# Altium PCB uTCA_MCH_PCB3.pcbdoc (part 4 of 25)
Units mil, origin at the board's own origin, x right, y up, seen from the top; angles counter-clockwise.
Board outline 7110.66 x 2894.12 mil, 12 copper layers (Top Layer, GND1, MidLayer1, PWR1, MidLayer2, GND2, PWR2, MidLayer3, GND3, MidLayer4, PWR3, Bottom Layer), stack 63.15 mil thick; 767 components, 905 nets, 4553 pads, 2832 vias.
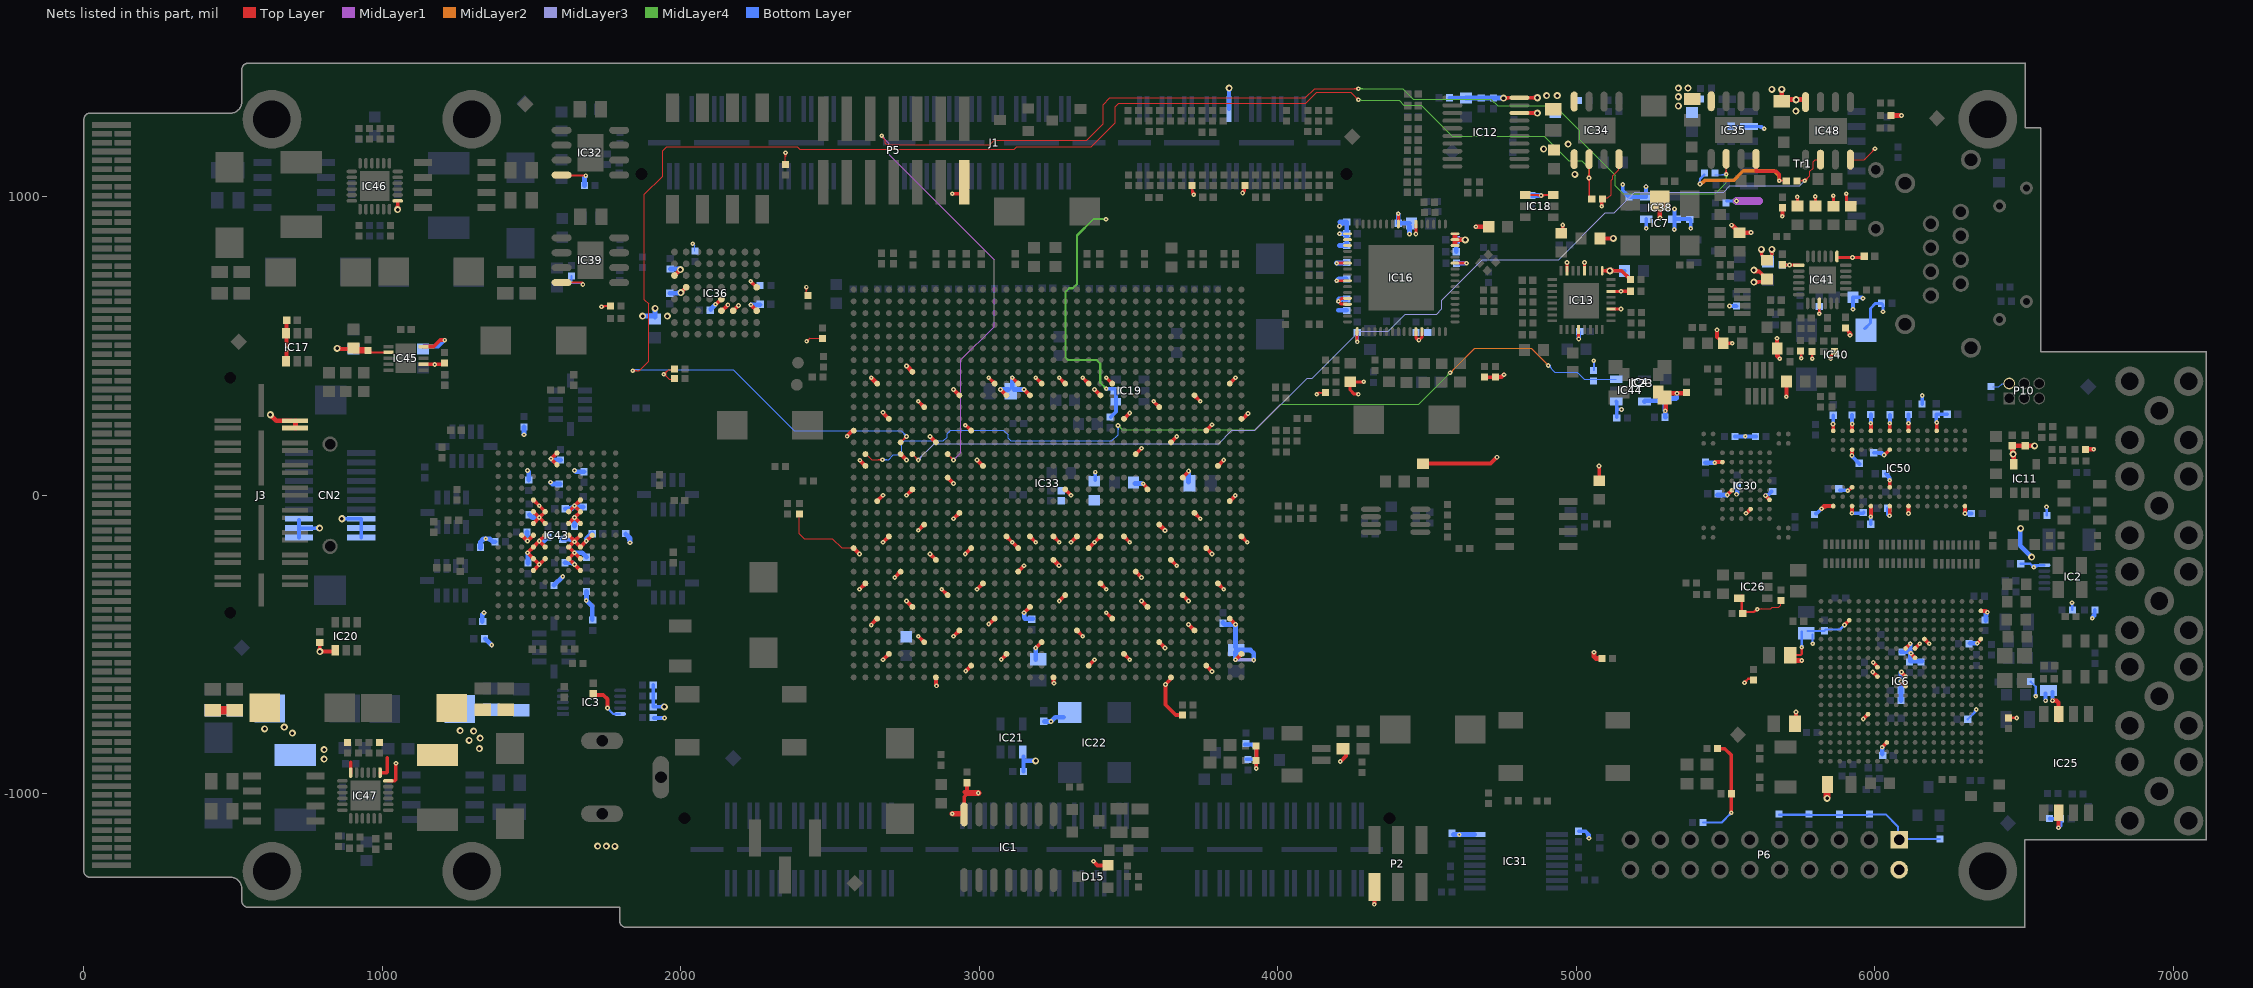
[diagram p14: the nets of this part, all layers, seen from the top]

## Via types
v1: diameter 15.75, hole 5.91, Top Layer to Bottom Layer, tented both sides, 2480 vias
v2: diameter 23.62, hole 11.81, Top Layer to Bottom Layer, tented both sides, 325 vias
v3: diameter 20, hole 10, Top Layer to Bottom Layer, tented both sides, 16 vias
v4: diameter 15.75, hole 7.87, Top Layer to Bottom Layer, tented both sides, 9 vias
v5: diameter 23.62, hole 11.81, Top Layer to Bottom Layer, 1 vias
v6: diameter 15.75, hole 5.91, Top Layer to Bottom Layer, 1 vias

## Nets (pads, with @x,y where several pads share a name; then routed paths per layer and width w, separated by ;. In a path a pad name is that pad's centre, name@x,y a point inside that pad or via, vN(x,y) a via of type N, cw(c..) or ccw(c..) an arc to the next point about the centre after c; other vN are vias at no path point) (continued)
+1V8: C3.2 C4.2 C14.1 C15.1 C16.1 C17.1 C28.2 C62.2 C63.2 C73.1 C74.2 C75.2 C76.2 C220.1 C221.1 C222.2 C223.1 C224.1 C225.1 C226.1 C227.1 C228.1 C229.1 C230.1 C231.1 C232.1 C233.1 C234.1 C288.1 C289.1 C294.1 C295.2 C296.1 C298.1 C299.1 C302.1 C321.1 C324.1 C325.1 C326.1 C329.2 C330.2 C331.2 C332.2 C333.2 C334.2 C335.2 C336.2 C337.1 C338.1 C339.1 C340.1 C341.1 C342.1 C343.1 C344.1 C345.1 C346.1 C347.1 C348.1 C349.2 C350.2 C351.2 C352.2 C393.2 C394.2 IC3.10 IC6.D16 IC6.F6 IC6.G10 IC6.G11 IC6.K13 IC6.L12 IC6.L13 IC6.M14 IC26.5 IC30.D3 IC30.G4 IC30.H8 IC30.J6 IC33.A32 IC33.AD13 IC33.AE20 IC33.AG14 IC33.AH11 IC33.AH21 IC33.AJ28 IC33.AK25 IC33.AL12 IC33.AL22 IC33.AM19 IC33.AM29 IC33.AN26 IC33.AP13 IC33.AP23 IC33.B29 IC33.C16 IC33.C26 IC33.D33 IC33.E30 IC33.F17 IC33.F27 IC33.G34 IC33.H31 IC33.J18 IC33.J28 IC33.K15 IC33.K25 IC33.L32 IC33.M29 IC33.N26 IC33.P33 IC33.R30 IC36.A6 IC36.H3 IC43.E4 IC43.E8 IC43.F4 IC43.F5 IC43.F7 IC43.F8 IC43.G4 IC43.G5 IC43.G7 IC43.G8 IC43.H3 IC43.H4 IC43.H5 IC43.H7 IC43.H8 IC43.H9 IC43.J4 IC43.J5 IC43.J7 IC43.J8 IC43.K4 IC43.K5 IC43.K7 IC43.K8 IC43.L4 IC43.L8 IC43.P6 IC43.R6 IC45.2 IC47.1 IC50.A1 IC50.A9 IC50.C1 IC50.C3 IC50.C7 IC50.C9 IC50.E1 IC50.E9 IC50.G1 IC50.G3 IC50.G7 IC50.G9 IC50.J1 IC50.J9 IC50.M9 IC50.R1 L15.2 L19.1 P10.2 R4.2 R16.2 R75.2 R97.2 R138.2 R167.2 R168.2 R169.2 R198.1 R213.2 R241.2 | length 6880.4
  Top Layer w3.94: R213.2@952.27,485.65 R213.2@952.46,485.46 ; R97.2@2396.85,-63.5 2396.85,-128.39 2413.54,-145.08 2506.93,-145.08 2538.43,-176.57 IC33.AP23@2579.33,-176.57 ; v1@5604.47,-380.94 5651.26,-380.94 5656.52,-375.68 5677.64,-375.68 5684.56,-368.76 R169.2@5684.56,-354.92 ; v1@5609.85,-385.77 cw(c5621.5,-397.42) 5621.5,-380.94 ; v1@5609.85,-377.41 ccw(c5618.36,-368.9) 5618.36,-380.94 ; C3.2@5725.53,-554.03 C3.2@5726.03,-553.53
  Top Layer w6.89: R213.2@952.76,478.35 IC45.2@1019.69,478.35 ; v1@3879.23,1016.34 ccw(c3863.44,1037.4) R138.2@3889.76,1037.4 3889.76,1020.67 v1(3881.89,1012.8) ; v1@3881.89,1017.22 ccw(c3881.89,1027.92) 3889.45,1020.36 ccw(c3897.01,1012.8) v1@3886.32,1012.8 ; v1@3883.37,1010.83 ccw(c3873.77,1023.62) 3889.76,1023.62
  Top Layer w7: C222.2@5554.49,-386.36 C222.2@5559.36,-391.23 ; v1@5703.98,330.35 v1@5704.32,330.01 ; C3.2@5716.22,-535.59 5751.41,-535.59 5755,-532 v1(5755,-509) ; v1@5751.91,-512.09 cw(c5744.44,-519.56) 5755,-519.56 cw(c5765.56,-519.56) v1@5758.09,-512.09
  Top Layer w7.87: C222.2@5554.35,-394.1 IC26.5@5554.35,-337.07 ; C222.2@5559.36,-391.23 5594.18,-391.23 v1@5604.47,-380.94 ; 5595.79,-389.62 cw(c5605.67,-399.5) v1@5605.67,-385.53
  Top Layer w10: v1@5909.03,18 ccw(c5909.03,32.43) IC50.C3@5919.23,22.23 ; v1@5913.7,16.7 IC50.C3@5923.66,26.72 IC50.C3@5923.66,26.72
  Top Layer w11.81: IC47.1@992.13,-929.13 1014.49,-929.13 ; 1016.14,-927.48 1016.14,-879.33
  Top Layer w12: v1(6031,135) 6031.94,135 IC50.G7@6049.65,152.7
  Top Layer w12.6: v2@850.39,490.16 C394.2@903.54,490.16 ; v2@852.32,496.02 ccw(c866.48,510.18) 866.48,490.16 ; IC43.H9@1466.14,-133.46 v1(1486.22,-153.54) IC43.H8@1505.94,-133.82 ; IC43.E8@1505.91,-251.97 v1(1525.59,-232.28) ; IC43.J8@1505.91,-94.49 v1(1525.59,-74.8) ; IC43.K8@1505.91,-55.12 v1(1525.59,-74.8) ; IC43.L8@1505.91,-15.75 v1(1525.59,-35.43) IC43.K7@1545.28,-55.12 ; IC43.K7@1545.28,-55.12 v1(1525.59,-74.8) ; IC43.F7@1545.28,-212.6 v1(1525.59,-232.28) ; IC43.G7@1545.28,-173.23 v1(1525.59,-153.54) ; IC43.H7@1545.28,-133.86 v1(1525.59,-153.54) ; IC43.J7@1545.28,-94.49 v1(1525.59,-74.8) ; IC43.P6@1584.65,102.36 v1(1564.96,122.05) IC43.R6@1584.65,141.73 ; IC43.H5@1624.02,-133.86 v1@1643.7,-153.54 ; IC43.J5@1624.02,-94.49 v1(1643.7,-74.8) ; IC43.K5@1624.02,-55.12 v1(1643.7,-35.43) ; IC43.E4@1663.39,-251.97 v1(1643.7,-232.28) IC43.F5@1624.02,-212.6 v1(1643.7,-192.91) ; IC43.F4@1663.39,-212.6 v1(1643.7,-192.91) ; IC43.H4@1663.39,-133.86 v1@1643.7,-153.54 ; IC43.J4@1663.39,-94.49 v1(1643.7,-74.8) ; IC43.L4@1663.39,-15.75 v1(1643.7,-35.43) ; IC43.H3@1702.76,-133.86 v1(1683.07,-153.54) IC43.G4@1663.39,-173.23 v1@1643.7,-153.54 ; C28.2@1704.72,-669.29 1740.16,-669.29 1753.94,-683.07 v1(1753.94,-712.6) ; IC36.H3@1978.35,736.22 v2(1998.03,755.91) ; v2@1992.52,755.91 cw(c1979.21,755.91) 1988.62,746.5 cw(c1998.03,737.09) v2@1998.03,750.39 ; v1@2234.5,637.55 IC36.A6@2253.94,618.11 ; v1(2556.89,197.99) IC33.AP13@2575.43,216.54 ; IC33.AP23@2578.74,-177.17 v1(2598.43,-196.85) ; v1(2598.43,-314.96) IC33.AN26@2618.11,-295.28 ; v1@2637.8,-433.07 IC33.AM29@2657.48,-413.39 ; IC33.AM19@2657.48,-19.68 v1(2677.17,0) ; v1(2677.17,-157.48) IC33.AL22@2696.85,-137.8 ; v1@2677.17,275.59 IC33.AL12@2696.85,255.91 ; v1(2716.54,-275.59) IC33.AK25@2736.22,-255.91 ; v1(2755.91,-354.33) IC33.AJ28@2775.59,-374.02 ; v1(2795.28,-117.62) IC33.AH21@2814.47,-98.43 ; v1(2795.28,314.96) IC33.AH11@2814.96,295.28 ; v1(2834.65,196.85) IC33.AG14@2854.33,177.17 ; v1(2913.39,-78.74) IC33.AE20@2933.07,-59.06 ; v1@2952.76,236.22 IC33.AD13@2972.44,216.54 ; IC33.R30@3326.77,-452.76 v1(3346.46,-472.44) ; IC33.P33@3366.14,-570.87 v1(3385.83,-551.18) ; IC33.N26@3405.51,-295.28 v1(3425.2,-314.96) ; v1(3425.2,-393.7) IC33.M29@3444.88,-413.39 ; IC33.L32@3484.25,-531.5 v1(3503.94,-551.18) ; IC33.K25@3523.62,-255.91 v1(3543.31,-275.59) ; IC33.K15@3523.62,137.8 v1(3543.31,157.48) ; v1(3543.31,-354.33) IC33.J28@3562.99,-374.02 ; v1@3548.18,38.68 IC33.J18@3564.26,22.6 ; IC33.H31@3602.36,-492.13 v1(3622.05,-511.81) ; v1(3623.39,-634.17) 3623.39,-702.09 3657.72,-736.42 R75.2@3680.75,-736.42 ; v1@3623.39,-633.19 3641.73,-614.84 IC33.G34@3641.73,-610.24 ; IC33.F27@3681.1,-334.65 v1(3700.79,-354.33) ; IC33.F17@3681.1,59.06 v1@3700.79,78.74 ; v1(3700.79,-433.07) IC33.E30@3720.47,-452.76 ; IC33.D33@3759.84,-570.87 v1(3779.53,-590.55) ; IC33.C26@3799.21,-295.28 v1(3818.9,-314.96) ; IC33.C16@3799.21,98.43 v1(3818.9,118.11) ; IC33.B29@3838.58,-413.39 v1(3858.27,-433.07) ; v1(3858.27,-551.18) IC33.A32@3877.95,-531.5 ; v1@5464.9,108.04 cw(c5472.34,100.6) 5472.34,111.12 ; v1@5465.77,111.12 IC30.D3@5489.39,111.12 ; v1(5505.14,0.89) IC30.G4@5520.88,16.64 ; v1@5570.1,-60.14 IC30.J6@5583.88,-46.36 ; v1(5633.29,-1.28) IC30.H8@5646.87,-14.86 ; v1@5703.98,330.35 L19.1@5703.98,380.69 ; v1(5821,-45) 5830,-36 5860.39,-36 IC50.A1@5860.67,-36.28 ; v1@5822.11,-46.11 cw(c5846.53,-70.53) 5846.53,-36 ; v1(5860,239) 5860.67,238.33 IC50.A9@5860.67,215.69 ; v1(5898.33,-434.5) IC6.D16@5914.09,-418.76 ; v1(5923,-60) 5923.66,-59.34 IC50.C1@5923.66,-36.28 ; v1@5923.66,133.66 IC50.C7@5923.66,152.7 ; IC50.C9@5923.66,215.69 5923.66,238.66 v1(5924,239) ; v1(5961.33,-749.46) IC6.F6@5977.09,-733.72 ; v1(5986,-72) 5986.65,-71.35 IC50.E1@5986.65,-36.28 ; v1(5986,241) 5986.65,240.35 IC50.E9@5986.65,215.69 ; v1(5992.83,-591.98) IC6.G10@6008.58,-607.73 ; v1(5994.8,-560.49) IC6.G11@6008.58,-574.27 ; v1(6049,-69) 6049.65,-68.35 IC50.G1@6049.65,-36.28 ; IC50.G3@6049.65,26.72 6049.65,49.65 v1(6050,50) ; IC50.G9@6049.65,215.69 6049.65,240.65 v1(6050,241) ; IC6.K13@6103.07,-513.24 v1(6118.82,-497.5) ; IC50.J1@6112.64,-36.28 6112.64,-60.64 v1(6113,-61) ; IC50.J9@6112.64,215.69 6112.64,240.64 v1(6113,241) ; v1@6118.82,-528.99 IC6.L12@6134.57,-544.74 ; IC6.L13@6134.57,-513.24 v1(6150.31,-497.5) ; IC6.M14@6166.06,-481.75 v1(6181.81,-497.5) ; IC50.M9@6207.13,215.69 v1@6207.13,243.87 ; IC50.R1@6301.61,-36.28 6301.61,-60.61 v1(6302,-61) ; v1(1525.59,-232.28) v1(1486.22,-192.91) IC43.G8@1505.91,-173.23 v1(1525.59,-153.54) ; v1(1643.7,-192.91) IC43.G5@1624.02,-173.23 v1@1643.7,-153.55 ; v1(1643.7,-74.8) IC43.K4@1663.39,-55.12 v1(1643.7,-35.43)
  Top Layer w15.75: C3.2@5726.03,-553.53 v1(5755.26,-553.53)
  Top Layer w21.65: C394.2@907.99,485.65 R213.2@952.27,485.65
  MidLayer3 w12.6: v1(3858.27,-551.18) v1@3918.86,-551.18
  Bottom Layer w3.94: R4.2@6394.41,363.38 6394.82,362.97 6414.91,362.97 6426.3,374.36 P10.2@6450.35,374.36
  Bottom Layer w6.89: v1@1753.78,-712.83 1773.66,-732.72 IC3.10@1796.49,-732.72 ; v1@1753.94,-717.03 cw(c1753.94,-726.77) 1760.83,-719.88 ; v1@1758.37,-712.6 ccw(c1770.01,-712.6) 1761.78,-720.83
  Bottom Layer w7: v1@5751.91,-505.91 ccw(c5744.44,-498.44) 5755,-498.44 ccw(c5765.56,-498.44) v1@5758.09,-505.91 ; v1(5755,-509) C4.2@5755,-456 ; C4.2@5774.04,-454.19 C14.1@5831.42,-454.19 5835.79,-449.81 5883.02,-449.81 v1(5898.33,-434.5) ; v1@5788.45,-494.81 ccw(c5782.74,-489.1) 5790.81,-489.1 ; v1@5790.81,-498.26 C4.2@5790.81,-466.81 ; 5790.81,-485.58 ccw(c5803.86,-485.58) v1@5794.63,-494.81 ; v1@5893.96,-434.5 cw(c5883.4,-434.5) 5890.87,-441.97 cw(c5898.33,-449.44) v1@5898.33,-438.88
  Bottom Layer w12.6: v2@852.32,496.02 ccw(c866.48,510.18) 866.48,490.16 ; v2@852.36,490.16 C393.2@903.54,490.16 ; R16.2@1909.45,-746.06 v1(1944.88,-746.06) ; R167.2@5531.63,197.15 R168.2@5601.75,197.15 ; v1@5633.4,1.52 5643.29,1.52 C299.1@5654.15,12.38 ; C223.1@5802.4,-60.76 5805.24,-60.76 v1(5821,-45) ; v1(5860,239) 5860.65,239.65 C234.1@5860.65,267.85 ; C225.1@5882.21,16.67 v1@5910,16.67 ; v1(5923,-60) 5960.21,-60 C233.1@5962.83,-57.38 ; v1@5923.5,132.5 v1(5923,133) 5923,130.45 C227.1@5948.39,105.06 ; C326.1@5923.69,268.68 5923.69,239.32 v1(5924,239) ; v1@5924.57,133 ccw(c5934.54,133) 5927.49,125.96 ; v1@5985.83,-72.17 v1(5986,-72) 5986,-96.65 C324.1@5986.22,-96.87 ; v1(5986,241) 5986.68,241.68 C229.1@5986.68,270.65 ; C321.1@5996.14,142.23 6023.77,142.23 v1(6031,135) ; 6009.75,142.23 cw(c6009.75,113.75) v1@6029.89,133.89 ; C228.1@6036.89,72.07 6050,58.96 v1(6050,50) ; C228.1@6040.98,67.99 cw(c6022.99,50) v1@6048.43,50 ; C230.1@6042.8,-50.22 ccw(c6067.78,-50.22) v1@6050.11,-67.89 ; C230.1@6042.8,-43.44 6042.8,-62.8 v1(6049,-69) ; v1(6050,241) 6050.38,241.38 C226.1@6050.38,270.06 ; C325.1@6112.74,270.76 6112.74,241.26 v1(6113,241) ; R198.1@6158.5,305.5 6158.5,333.5 v1(6159,334) ; v1(6207,244) 6205.5,245.5 C224.1@6205.5,271.12 6205.58,271.2 C231.1@6242.17,271.2 ; v1(6302,-61) 6323.62,-61 C232.1@6323.94,-61.32
  Bottom Layer w15.75: C345.1@1328.74,-177.16 1328.74,-155.51 1338.58,-145.67 v1(1346.46,-145.67) ; 1333.01,-151.24 cw(c1346.46,-164.68) v1(1346.46,-145.67) ; C329.2@1334.65,-423.23 1334.65,-399.61 v1(1340.55,-393.7) ccw(c1354.81,-407.96) 1334.65,-407.96 ; C330.2@1344.49,-480.32 v1(1366.14,-501.97) ; C343.1@1369.98,-155.41 ccw(c1346.46,-178.94) v1(1346.46,-145.67) ; C343.1@1377.28,-156 1370.57,-156 1360.24,-145.67 v1(1346.46,-145.67) ; v1(1474.41,202.76) C331.2@1474.41,228.35 ; v1@1484.72,-152.04 C347.1@1484.72,-122.91 ; C346.1@1488,-227.28 v1@1488,-195 ; C337.1@1490.16,51.18 1490.16,78.74 v1(1486.22,82.68) cw(c1476.72,73.17) 1490.16,73.17 ; C335.2@1492.13,-64.96 1501.97,-74.8 v1(1525.59,-74.8) ; C349.2@1552.47,-142.41 cw(c1525.59,-115.52) v1(1525.59,-153.54) 1541.34,-153.54 C349.2@1555.12,-139.76 ; 1574.46,118.11 cw(c1574.46,131.55) v1(1564.96,122.05) 1568.9,118.11 C336.2@1596.46,118.11 ; C344.1@1574.72,-302 v1@1604,-272.72 ; 1576.49,37.72 cw(c1576.49,56.8) v1(1562.99,43.31) 1568.58,37.72 C350.2@1595,37.72 ; C351.2@1604.33,-147.64 1635.83,-147.64 v1(1643.7,-155.51) ccw(c1624.69,-174.52) 1624.69,-147.64 ; C342.1@1611.72,-226 1638,-226 v1@1644,-232 ; C340.1@1612.72,-45 1635,-45 v1@1644,-36 ; C340.1@1620.6,-45 ccw(c1620.6,-12.33) v1(1643.7,-35.43) ; 1628.53,-226 cw(c1628.53,-247.45) v1(1643.7,-232.28) ; C341.1@1643.7,-104.33 v1(1643.7,-74.8) ; v1@1644,-193 1669.72,-193 C348.1@1684,-207.28 ; 1653.21,-39.37 cw(c1653.21,-25.93) v1(1643.7,-35.43) ; 1653.21,78.74 cw(c1653.21,92.18) v1(1643.7,82.68) 1647.64,78.74 C338.1@1675.2,78.74 ; C352.2@1673.23,-39.37 1647.64,-39.37 v1(1643.7,-35.43) ; v1(1683.07,-352.36) 1702.76,-372.05 C334.2@1702.76,-417.32 ; v1@1684,-351.43 C339.1@1684,-322.72 ; 1688.64,-140.1 ccw(c1702.08,-153.54) v1(1683.07,-153.54) 1683.07,-145.67 C333.2@1702.76,-125.98 ; C332.2@1814.96,-129.92 1829.72,-144.68 v1(1829.72,-159.45) ccw(c1794.08,-159.45) C332.2@1819.28,-134.25 ; C63.2@1964.57,757.87 v2@2000,757.87 ; 1983.77,757.87 cw(c1983.77,741.65) v2@1995.25,753.12 ; v1(2234.5,638.5) C62.2@2265.04,638.5 ; C74.2@3520.08,39.37 v1@3543.63,39.37 ; C75.2@3700.79,43.58 v1@3700.79,78.74 ; C73.1@3815.91,-426.45 3822.53,-433.07 v1(3858.27,-433.07) C76.2@3858.27,-509.61 ; v1(3858.27,-551.18) C76.2@3858.27,-525.24 ; C76.2@3860.55,-518.7 3908.03,-518.7 3918.82,-529.49 v1@3918.82,-551.81 ; C298.1@5431.83,109.2 v1@5462.5,109.2 ; C220.1@5471.83,0.89 v1(5505.14,0.89) ; v1@5538.6,4.84 C221.1@5538.6,32.38 ; C17.1@6087.52,-524.54 v1@6115.98,-524.54 ; 6110.04,-524.54 cw(c6110.04,-539.73) v1(6120.77,-528.99) ; C15.1@6118.43,-556.28 C16.1@6157.68,-556.28 ; C15.1@6118.82,-555.06 v1(6118.82,-497.5)
  other v1: 3919.31,-551.64 5791.54,-497.9 2637.92,-435.06 5605.67,-381.59 1604,-272 5568.12,-60.14 5536.62,2.86 5909.03,15.13 3549.12,38.54 3700.97,81.2 5463.79,109.16 5565.96,197.54 2952.75,234.25 2677.17,277.56 5703.07,329.59
  other v2: 1324.68,-849.06 1290.32,-821.02 1327.32,-813.62 1305.67,-790.39 1260.75,-788.78 848.42,492.12
+2AV5: C87.1 C88.1 IC33.T18 L5.1 | length 27.8
  Top Layer w12.6: IC33.T18@3287.4,19.69 v1(3307.09,0)
+2V5: C1.2 C5.1 C11.1 C13.1 C57.2 C58.2 C64.2 C65.2 C66.2 C83.1 C84.2 C85.2 C86.2 C210.2 C211.2 C259.1 C260.1 C268.1 C269.2 C270.1 C271.1 C417.1 CN2.2 CN2.4 CN2.6 IC6.H3 IC6.K9 IC6.K10 IC11.5 IC32.4 IC33.A12 IC33.A22 IC33.AA10 IC33.AA22 IC33.AA32 IC33.AB9 IC33.AB29 IC33.AC16 IC33.AC26 IC33.AD23 IC33.AD33 IC33.AE10 IC33.AE30 IC33.AF17 IC33.AF27 IC33.AG24 IC33.AG34 IC33.AH31 IC33.AJ8 IC33.AJ18 IC33.AK15 IC33.AL32 IC33.AM9 IC33.AN16 IC33.B9 IC33.B19 IC33.D13 IC33.D23 IC33.E10 IC33.E20 IC33.G14 IC33.G24 IC33.H11 IC33.H21 IC33.L12 IC33.L22 IC33.M9 IC33.N10 IC33.N22 IC33.P9 IC33.P23 IC33.R22 IC33.T9 IC33.T27 IC33.U22 IC33.U24 IC33.U34 IC33.V9 IC33.V31 IC33.W10 IC33.W22 IC33.W28 IC33.Y9 IC33.Y23 IC33.Y25 IC34.4 IC35.4 IC36.A4 IC36.C6 IC36.D5 IC36.D6 IC36.G4 IC39.4 IC41.9 IC45.7 IC45.10 IC46.7 IC47.6 IC47.24 IC48.4 J1.81 J3.29 J3.31 L5.2 L14.2 P2.1 P5.2 P6.1 P6.2 R5.1 R7.2 R8.2 R9.2 R10.2 R11.2 R13.2 R14.2 R15.2 R17.2 R18.2 R19.2 R38.2 R44.2 R45.1 R46.2 R47.2 R48.2 R49.2 R51.1 R52.1 R53.1 R54.2 R55.2 R56.2 R57.2 R58.2 R128.2 R129.2 R159.2 R160.2 R161.2 R162.2 R163.2 R166.2 R181.1 R190.1 R191.1 R202.2 R203.2 R206.2 R207.1 R208.2 R211.2 R214.2 R239.1 | length 7244.6
  Top Layer w3.94: v1@1942.91,399.61 cw(c1942.91,383.07) 1954.61,394.76 ; v1@1942.91,411.42 ccw(c1942.91,425.67) 1952.99,415.59 ccw(c1963.08,405.51) 1948.82,405.51 ccw(c1960.79,405.51) 1952.33,397.04 ; R56.2@1975.67,388.15 1961.22,388.15 1943.86,405.51 v1(1942.91,405.51) 1958.66,421.26 R54.2@1982.28,421.26 ; v1@2346.22,1143.46 cw(c2336.14,1133.38) 2350.39,1133.38 cw(c2364.65,1133.38) v1@2354.57,1143.46 ; R47.2@2350.39,1108.27 v1(2350.39,1147.64) ; v1@2416.3,693.11 cw(c2406.6,683.41) 2420.32,683.41 ; R48.2@2420.32,676.69 v1@2420.32,695.28 ; 2420.32,682.65 cw(c2435.11,682.65) v1@2424.65,693.11 ; v1(2421.26,515.75) 2431.1,525.59 ; v1@2421.36,521.65 ccw(c2421.59,535.1) 2431.1,525.59 ; v1@2427.16,515.85 cw(c2440.61,516.08) 2431.1,525.59 ; R49.2@2474.41,525.59 2431.1,525.59 ; v1@3616.14,-118.11 ccw(c3601.88,-118.11) 3611.97,-108.03 ccw(c3622.05,-97.95) v1@3622.05,-112.2 ; v1@4128.53,339.97 cw(c4139.43,329.08) 4139.43,344.49 ; v1(4129.92,338.58) 4135.83,344.49 ; v1@4131.31,337.19 cw(c4148.93,319.57) R44.2@4148.93,344.49 ; v1@4132.47,343.91 ccw(c4133.74,346.57) 4135.83,344.49 ; v1@4134.1,334.41 cw(c4158.43,310.07) R44.2@4158.43,344.49 ; v1@4135.25,341.13 cw(c4137.91,342.4) 4135.83,344.49 ; R44.2@4159.45,344.49 4135.83,344.49
  Top Layer w4: R190.1@5089.91,995.83 5105.67,995.83 5116.45,1006.61 5116.45,1055.55 5121.27,1060.37 5121.27,1069.6 5142.18,1090.51 IC34.4@5142.18,1096.18 ; v1(5680,1054) 5680.9,1053.1 R239.1@5703.09,1053.1 ; v1@5684.15,1049.85 cw(c5692.01,1041.99) R239.1@5692.01,1053.1 ; v1@5684.15,1058.15 ccw(c5696.35,1070.35) R239.1@5696.35,1053.1 ; v1(5814,608) v1@5813.98,611 ; IC48.4@5917.86,1124.28 5965.27,1124.28 5974.51,1133.52 5974.51,1133.8 v1@6002.45,1161.74 ; 5989.9,1149.19 ccw(c5978.15,1160.94) v1@5994.77,1160.94 ; 5992.34,1151.63 cw(c6000.64,1143.32) v1@6000.64,1155.07
  Top Layer w6.89: C271.1@505.9,-720.47 507.08,-720.47 C271.1@507.74,-721.13 ; IC39.4@1600.39,712.4 1670.83,712.4 v1@1671.67,711.56 ; IC32.4@1602.36,1070.87 v1(1681.1,1070.87) ; v1@1737.38,628.76 cw(c1749.7,616.44) 1749.7,633.86 ; v1@1738.19,633.86 R58.2@1763.78,633.86 ; IC35.4@5601.86,1126.95 IC35.4@5603.1,1125.71
  Top Layer w8: v1(5563,-628) 5576.04,-614.96 R53.1@5595.98,-614.96 ; v1@5563,-624.13 ccw(c5563,-614.77) 5569.61,-621.39 ccw(c5576.23,-628) v1@5566.87,-628 ; v1@5750.26,461.74 ccw(c5743.86,468.14) 5752.91,468.14 ; 5752.91,468.56 ccw(c5762.56,468.56) v1@5755.74,461.74 ; R203.2@5752.91,482.99 5752.91,459.09 v1(5753,459) ; v1@5787.26,459.74 ccw(c5781.79,465.21) 5789.53,465.21 ; 5789.53,467.49 ccw(c5800.49,467.49) v1@5792.74,459.74 ; R208.2@5789.53,481.81 5789.53,457.47 v1(5790,457) ; v1@5811.26,610.74 ccw(c5804.71,617.29) 5813.98,617.29 ; v1@5813.98,611 IC41.9@5813.98,642.65 ; 5813.98,617.41 ccw(c5823.41,617.41) v1@5816.74,610.74 ; v1@5847.88,457.85 cw(c5859.02,458.25) 5851.14,466.14 ; v1@5849.34,460.81 ccw(c5843.48,467) 5852,467 ; v1(5852,458) 5852,467 ; v1@5854.66,460.81 cw(c5860.52,467) 5852,467 ; v1@5855.87,458.14 cw(c5884.12,459.14) R202.2@5864.13,479.13 ; R202.2@5864.13,481.97 R202.2@5864.13,479.13 ; R159.2@5902.24,560.87 5917,546.11 v1(5917,536) ; R159.2@5903.24,559.87 cw(c5879.36,536) v1@5913.13,536 ; v1@5914.26,538.74 ccw(c5907.65,545.35) 5917,545.35 ccw(c5926.35,545.35) v1@5919.74,538.74 ; 5916.89,546.22 cw(c5906.68,536) v1@5921.13,536 ; R166.2@6447.28,-745.87 6474.87,-745.87 v1(6475,-746) ; 6465.32,-745.87 cw(c6465.32,-755.68) v1@6472.26,-748.74 ; 6465.97,-745.87 ccw(c6465.97,-736.97) v1@6472.26,-743.26 ; 5852,467 R202.2@5864.13,479.13
  Top Layer w11.81: IC47.6@893.7,-929.13 893.7,-894.13 ; IC47.24@1020.16,-956.73 1041.89,-956.73 1045.27,-953.35 v1(1045.27,-897.64) ; IC35.4@5603.1,1125.71 5603.1,1085.61 5669.04,1085.61 5679.75,1074.9 v1@5679.75,1052.64
  Top Layer w12: R161.2@5473.39,-849.41 5497.41,-849.41 5519.57,-871.57 5519.57,-1063.43 v1(5519,-1064)
  Top Layer w12.6: v2@1047.28,960.59 ccw(c1037.87,970) 1051.18,970 ccw(c1064.48,970) v2@1055.08,960.59 ; v2(1051.18,956.69) IC46.7@1051.18,986.22 ; IC45.7@1137.8,438.98 R214.2@1208.66,438.98 ; IC45.10@1137.8,498.03 1172.08,498.03 1193.74,519.68 v1(1208.66,519.68) ; v2(2000,679.13) IC36.G4@2017.72,696.85 ; v2@2000,684.65 ccw(c2000,697.95) 2009.41,688.54 ccw(c2018.82,679.13) v2@2005.51,679.13 ; v1@2118.11,639.76 IC36.D5@2135.83,657.48 ; IC36.D6@2137.8,618.11 v1(2157.48,637.8) ; IC36.C6@2175.2,618.11 v1(2192.91,635.83) ; v1(2234.25,716.54) IC36.A4@2253.94,696.85 ; v1(2599.65,116.9) IC33.AN16@2618.11,98.43 ; v1(2677.17,-551.18) IC33.AL32@2696.85,-531.5 ; IC33.AK15@2736.22,137.8 v1(2755.72,118.3) ; v1(2755.91,0) IC33.AJ18@2775.59,19.69 ; v1(2795.28,-472.44) IC33.AH31@2814.96,-492.13 ; v1(2834.65,-196.52) IC33.AG24@2854.33,-216.21 ; 2854.33,-629.21 ccw(c2866.06,-629.21) v1@2857.77,-637.51 ; IC33.AG34@2854.33,-610.24 2854.33,-629.92 ccw(c2864.41,-629.92) v1@2857.7,-637.45 ; v1(2874.02,-314.96) IC33.AF27@2893.7,-334.65 ; IC33.AF17@2893.7,59.06 v1(2913.39,39.37) ; v1(2909.45,1009.84) P5.2@2940.94,1009.84 ; v1(2913.39,-472.44) IC33.AE30@2933.07,-452.76 ; v1(2913.39,354.33) IC33.AE10@2933.07,334.65 ; v1(2952.76,-196.85) IC33.AD23@2972.44,-177.17 ; v1(2954.72,-588.58) IC33.AD33@2972.44,-570.87 ; v1(2992.13,-314.96) IC33.AC26@3011.81,-295.28 ; v1(2992.13,118.11) IC33.AC16@3011.81,98.43 ; v1@3031.5,-433.07 IC33.AB29@3051.18,-413.39 ; v1(3031.5,393.7) IC33.AB9@3050.28,374.92 ; v1(3070.87,354.33) IC33.AA10@3090.55,334.65 ; v1(3073.23,-550.39) IC33.AA32@3090.55,-533.07 ; IC33.AA22@3090.55,-137.8 v1(3110.24,-157.48) ; v1(3110.24,393.7) IC33.Y9@3129.92,374.02 ; v1@3112.2,-159.45 IC33.Y23@3129.92,-177.17 ; IC33.Y25@3129.92,-255.91 v1(3149.61,-236.22) ; v1(3149.61,-393.7) IC33.W28@3169.29,-374.02 ; v1(3149.61,354.33) IC33.W10@3169.29,334.65 ; IC33.W22@3169.29,-137.8 v1(3188.98,-157.48) ; v1(3188.98,-511.81) IC33.V31@3208.66,-492.13 ; v1(3188.98,393.7) IC33.V9@3208.66,374.02 ; v1@3248.03,-627.95 IC33.U34@3248.03,-610.24 ; 3248.03,-621.37 ccw(c3258.55,-621.37) v1@3251.11,-628.81 ; IC33.U22@3248.03,-137.8 v1(3267.72,-157.48) ; v1(3267.72,-354.33) IC33.T27@3287.4,-334.65 ; v1(3267.72,393.7) IC33.T9@3286.54,374.88 ; v1(3307.09,-157.48) IC33.R22@3326.77,-137.8 ; v1@3346.46,393.39 IC33.P9@3363.62,376.22 ; IC33.P23@3370.08,-173.23 v1(3385.83,-157.48) IC33.N22@3405.51,-137.8 ; v1(3385.83,354.33) IC33.N10@3405.51,334.65 ; v1(3425.2,393.7) IC33.M9@3444.88,374.02 ; IC33.L22@3484.25,-137.8 v1(3503.94,-157.48) ; IC33.L12@3484.25,255.91 v1(3503.94,275.59) ; v1(3584,315) 3582.72,315 3582.68,314.96 IC33.H11@3602.36,295.28 ; IC33.G24@3641.73,-216.54 v1(3661.42,-236.22) ; IC33.G14@3641.73,177.17 v1(3661.42,196.85) ; IC33.E20@3720.47,-59.06 v1(3740.16,-78.74) ; IC33.E10@3720.47,334.65 v1(3740.16,314.96) ; IC33.D23@3759.84,-177.17 v1(3779.53,-196.85) ; IC33.D13@3759.84,216.54 v1(3779.53,236.22) ; IC33.B9@3838.58,374.02 v1@3858.11,393.54 ; IC33.B19@3838.85,-20.45 v1@3858.54,-0.76 ; IC33.A22@3877.95,-137.8 v1(3897.64,-157.48) ; IC33.A12@3882.07,255.91 v1(3899.8,273.64) ; v1(3927.17,-915.35) R162.2@3927.17,-888.13 3928.29,-887 R163.2@3928.29,-840.45 ; v1@4323.18,-1369.69 4323.3,-1369.57 4323.3,-1368.11 P2.1@4323.3,-1325.59 ; R129.2@4692.91,395.67 4750,395.67 v1(4757.87,403.54) ; R128.2@4735.06,395.67 ccw(c4735.06,426.36) v1@4756.76,404.66 ; v1(5085.28,967.98) R190.1@5085.28,992.32 ; C1.2@5735.37,-766.89 5735.9,-766.36 v1(5735.9,-726.42) ; v1(6024.32,-843.95) IC6.H3@6040.08,-828.2 ; v1(6087.32,-623.48) IC6.K9@6103.07,-639.23 ; v1@6087.32,-591.98 IC6.K10@6103.07,-607.73